# Altium PCB 2-quilter-output.PcbDoc (part 3 of 26) (continued)
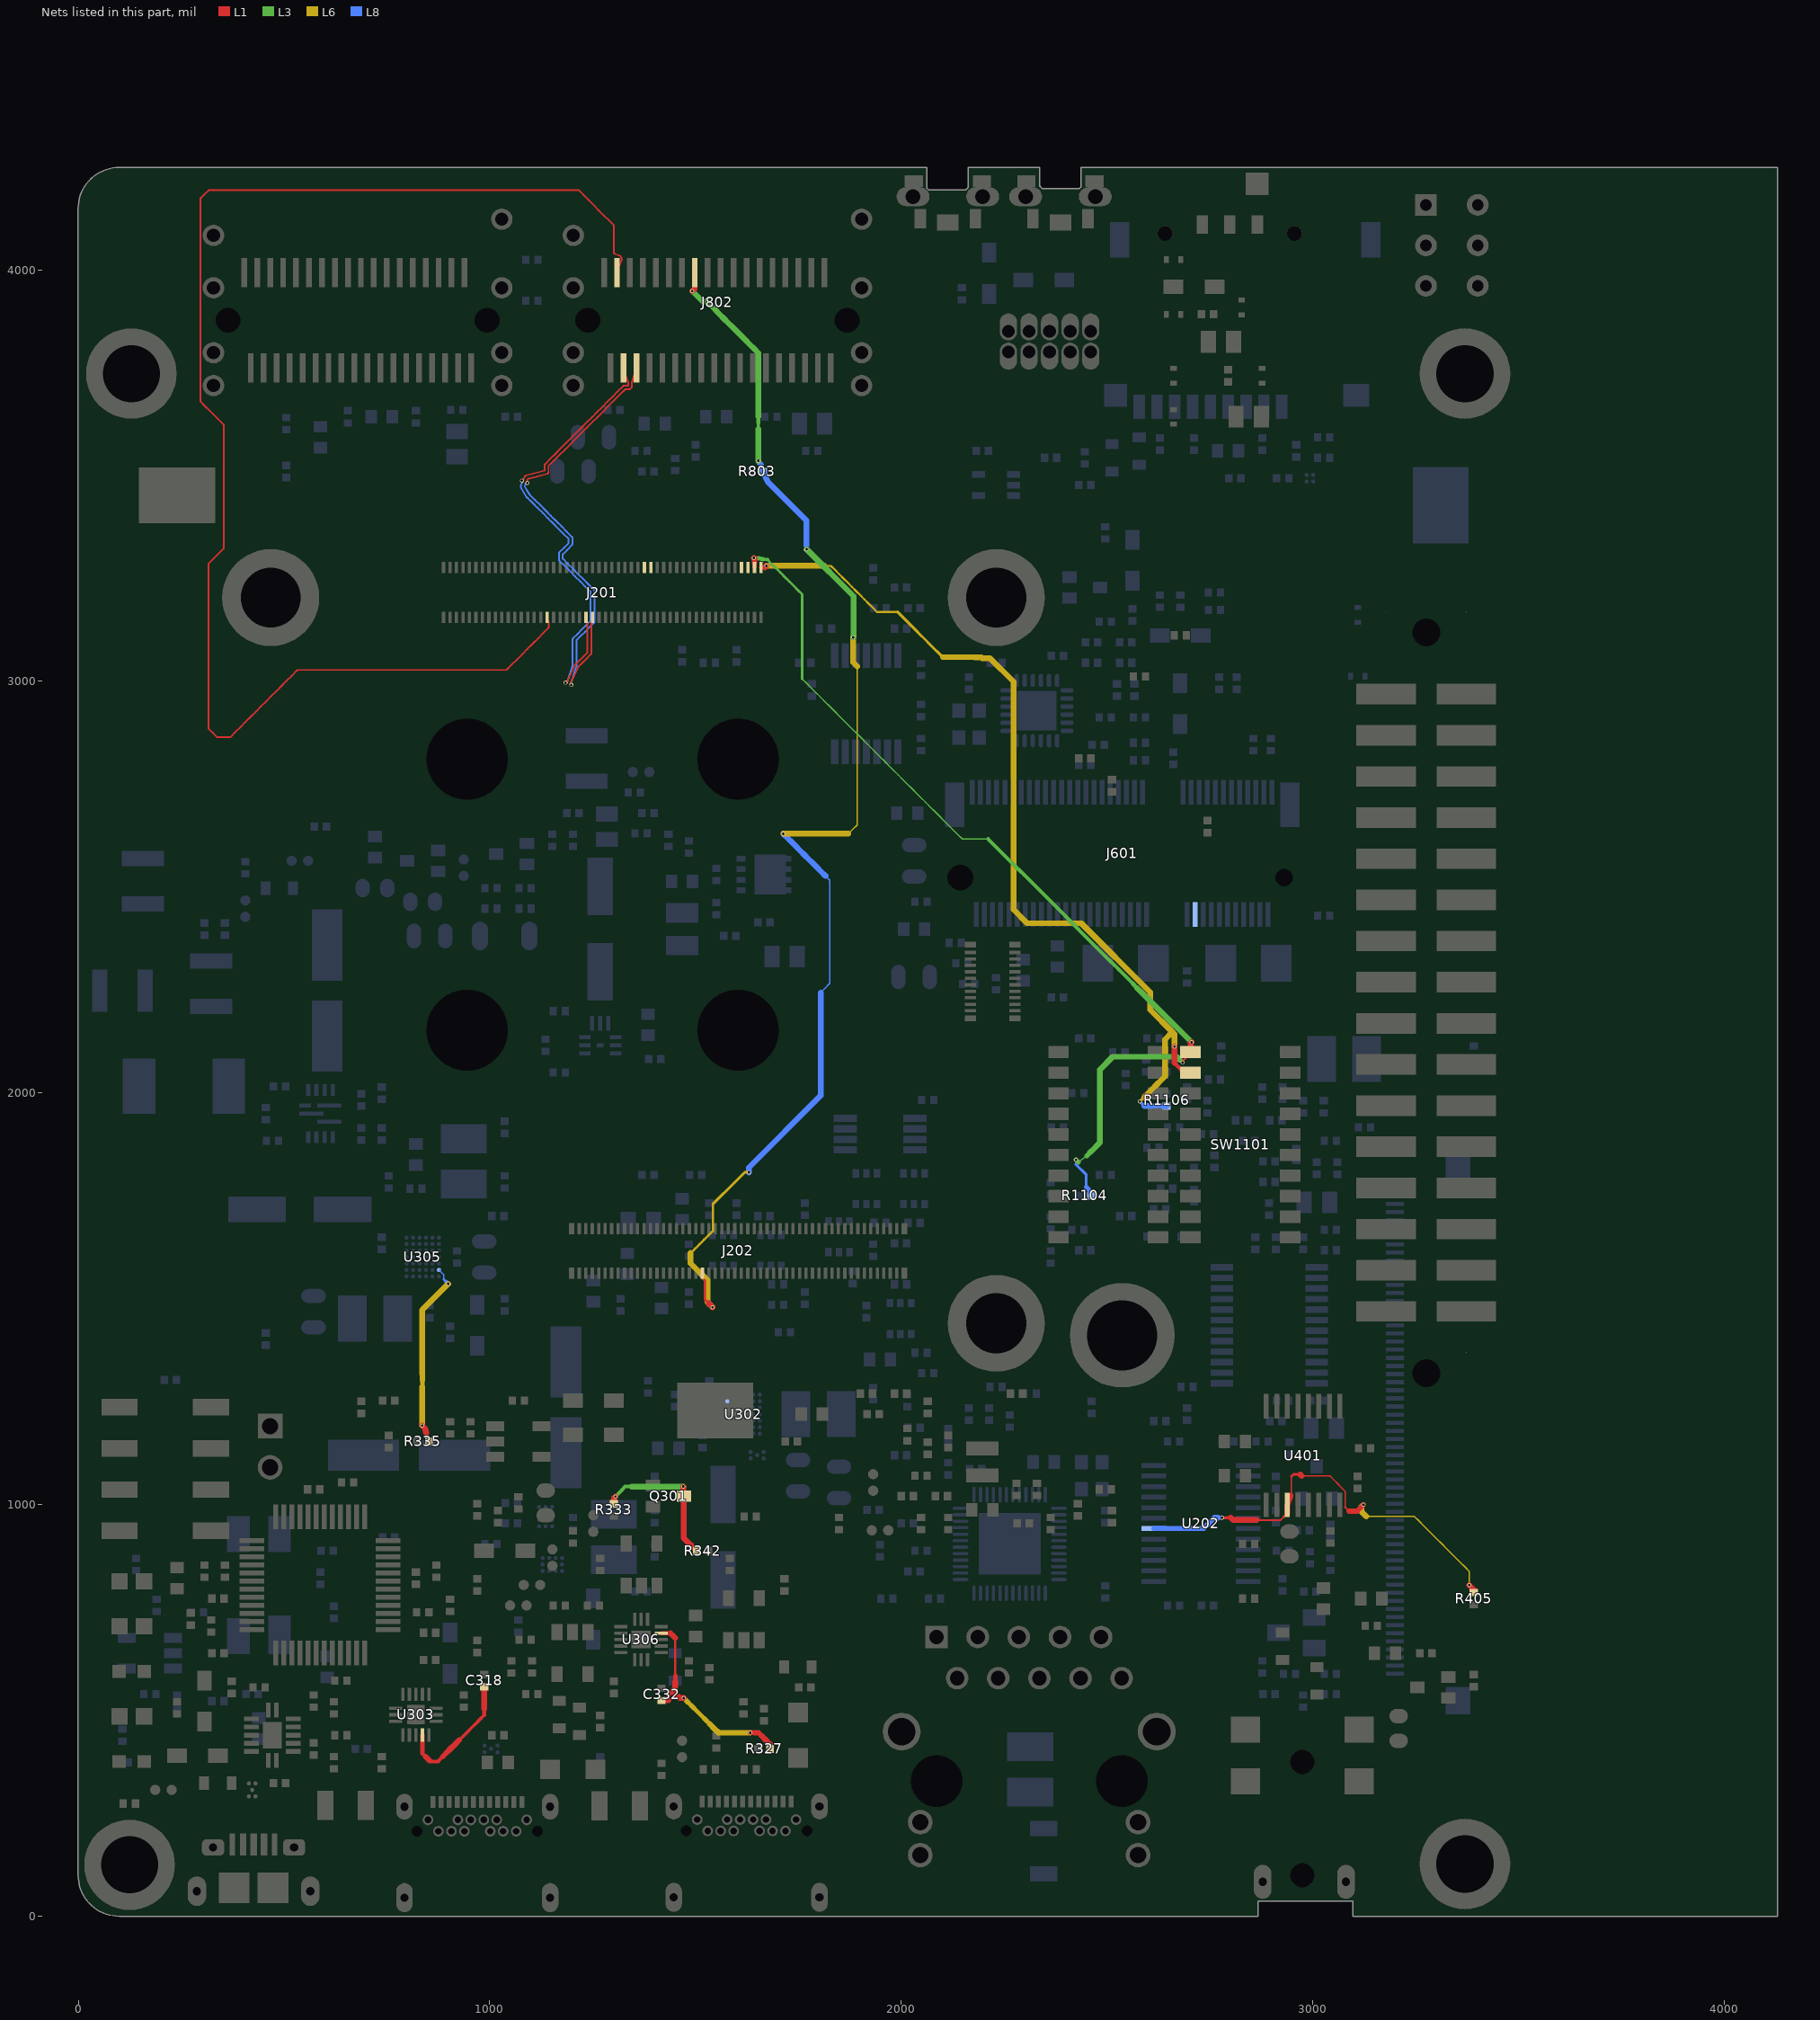
[diagram p9: the nets of this part, all layers, seen from the top]
## Part data (continued)
  R535: ASSY_OPT=DNP, ClassName="C-10 Ethernet 1Gbps Bot 1", Part Reference=R535, SIGNAL_MODEL=RES_0402_CC_DISCRETE_470-75394__0
  R536: ClassName="C-10 Ethernet 1Gbps", Part Reference=R536
  R537: ClassName="C-10 Ethernet 1Gbps", Part Reference=R537
  R538: ClassName="C-10 Ethernet 1Gbps", Part Reference=R538
  R539: ClassName="C-10 Ethernet 1Gbps Bot 1", Part Reference=R539
  R540: ClassName="C-10 Ethernet 1Gbps Bot 1", Part Reference=R540
  R541: ClassName="C-10 Ethernet 1Gbps Bot 1", Part Reference=R541
  R542: ClassName="C-10 Ethernet 1Gbps Bot 1", Part Reference=R542
  R543: ClassName="C-10 Ethernet 1Gbps Bot 1", Part Reference=R543
  R544: ClassName="C-10 Ethernet 1Gbps Bot 1", Part Reference=R544
  R603: ASSY_OPT=DNP, ClassName="C-11 PCIe Bot", Part Reference=R603
  R604: ClassName="C-11 PCIe Bot", Part Reference=R604
  R610: ClassName="C-11 PCIe Bot", Part Reference=R610
  R611: ClassName="C-11 PCIe Bot", Part Reference=R611
  R612: ClassName="C-11 PCIe Bot", Part Reference=R612
  R613: ClassName="C-11 PCIe Bot", Part Reference=R613
  R614: ASSY_OPT=DNP, ClassName="C-11 PCIe Bot", Part Reference=R614
  R615: ASSY_OPT=DNP, ClassName="C-11 PCIe Bot", Part Reference=R615
  R616: ClassName="C-11 PCIe Bot", Part Reference=R616
  R617: ClassName="C-11 PCIe Bot", Part Reference=R617
  R618: ClassName="C-11 PCIe Bot", Part Reference=R618
  R619: ClassName="C-11 PCIe Bot", Part Reference=R619
  R620: ClassName="C-11 PCIe Bot", Part Reference=R620
  R624: ASSY_OPT=DNP, ClassName="C-11 PCIe Bot", Part Reference=R624
  R625: ClassName="C-11 PCIe Bot", Part Reference=R625
  R629: ClassName="C-11 PCIe", Part Reference=R629
  R630: ClassName="C-11 PCIe", Part Reference=R630
  R631: ClassName="C-11 PCIe", Part Reference=R631
  R632: ClassName="C-11 PCIe", Part Reference=R632
  R702: ClassName="C-12 MicroSD_Infrared_LED_BTN Bot", Part Reference=R702
  R704: ClassName="C-12 MicroSD_Infrared_LED_BTN Bot", Part Reference=R704
  R705: ClassName="C-12 MicroSD_Infrared_LED_BTN Bot", Part Reference=R705
  R707: ClassName="C-12 MicroSD_Infrared_LED_BTN Bot", Part Reference=R707
  R708: ClassName="C-12 MicroSD_Infrared_LED_BTN Bot", Part Reference=R708
  R709: ClassName="C-12 MicroSD_Infrared_LED_BTN Bot", Part Reference=R709
  R807: ClassName="C-13 MIPI-DSI_CSI Bot", Part Reference=R807
  R808: ClassName="C-13 MIPI-DSI_CSI Bot", Part Reference=R808
  R809: ClassName="C-13 MIPI-DSI_CSI Bot", Part Reference=R809
  R810: ClassName="C-13 MIPI-DSI_CSI Bot", Part Reference=R810
  R908: ClassName="C-14 Debug", Part Reference=R908
  R909: ClassName="C-14 Debug", Part Reference=R909
  R910: ClassName="C-14 Debug", Part Reference=R910
  R911: ClassName="C-14 Debug", Part Reference=R911
  R921: ASSY_OPT=DNP, ClassName="C-14 Debug", Part Reference=R921, SIGNAL_MODEL=DEFAULT_RESISTOR_10000OHM_2_1, TOL=1%
  R922: ClassName="C-14 Debug", Part Reference=R922, SIGNAL_MODEL=DEFAULT_RESISTOR_10000OHM_2_1, TOL=1%
  R923: ASSY_OPT=DNP, ClassName="C-14 Debug", Part Reference=R923, SIGNAL_MODEL=DEFAULT_RESISTOR_10000OHM_2_1, TOL=1%
  R927: ASSY_OPT=DNP, ClassName="C-14 Debug", Part Reference=R927
  R928: ClassName="C-14 Debug Bot", Part Reference=R928
  R1003: ClassName="C-15 Expansion CN Bot", Part Reference=R1003
  R1004: ASSY_OPT=DNP, ClassName="C-15 Expansion CN Bot", Part Reference=R1004
  R1005: ASSY_OPT=DNP, ClassName="C-15 Expansion CN Bot", Part Reference=R1005
  R1006: ClassName="C-15 Expansion CN Bot", Part Reference=R1006
  R1009: ClassName="C-15 Expansion CN Bot", Part Reference=R1009
  R1010: ClassName="C-15 Expansion CN Bot", Part Reference=R1010
  R1011: ClassName="C-15 Expansion CN Bot", Part Reference=R1011
  R1012: ClassName="C-15 Expansion CN Bot", Part Reference=R1012
  R1013: ClassName="C-15 Expansion CN Bot", Part Reference=R1013
  R1014: ClassName="C-15 Expansion CN Bot", Part Reference=R1014
  R1015: ClassName="C-15 Expansion CN Bot", Part Reference=R1015
  R1016: ClassName="C-15 Expansion CN Bot", Part Reference=R1016
  R1017: ClassName="C-15 Expansion CN Bot", Part Reference=R1017
  R1018: ClassName="C-15 Expansion CN Bot", Part Reference=R1018
  R1019: ClassName="C-15 Expansion CN Bot", Part Reference=R1019
  R1020: ClassName="C-15 Expansion CN Bot", Part Reference=R1020
  R1021: ClassName="C-15 Expansion CN Bot", Part Reference=R1021
  R1022: ClassName="C-15 Expansion CN Bot", Part Reference=R1022
  R1023: ClassName="C-15 Expansion CN Bot", Part Reference=R1023
  R1024: ClassName="C-15 Expansion CN Bot", Part Reference=R1024
  R1025: ClassName="C-15 Expansion CN Bot", Part Reference=R1025
  R1026: ClassName="C-15 Expansion CN Bot", Part Reference=R1026
  R1027: ASSY_OPT=DNP, ClassName="C-15 Expansion CN Bot", Part Reference=R1027
  R1028: ASSY_OPT=DNP, ClassName="C-15 Expansion CN Bot", Part Reference=R1028
R301 R361: library part RES, "RES MF 47K 1/16W 5% 0402", Tolerance=5%, AGILE_PN=470-75559, CAD_APPROVED=Yes, CLASS=DISCRETE, ClassName="C-08 USB TYPE-C DRP", FPLIST=RC0402_25,RC0402_HD,0402_CC, HEIGHT="0.40 MM", MFG_NAME01="NIC COMPONENTS CORP", MFG_PN01=NRCL04J473TRF, RoHS=Yes
  R301: Part Reference=R301, PCB Footprint=0402_CC
  R361: Part Reference=R361, PCB Footprint=RC0402_25
R304 R318: library part RES, "RES MF 1.2M  1/10W 1% AEC-Q200 0402", Temp_Range="-55C to +155C", Tolerance=1%, AGILE_PN=470-31182, CAD_APPROVED=Yes, CLASS=DISCRETE, ClassName="C-08 USB TYPE-C DRP", FPLIST=RC0402_25,RC0402_HD,0402_CC, HEIGHT="0.40 MM", MFG_NAME01="KOA SPEER", MFG_PN01=RK73H1ETTP1204F, PCB Footprint=0402_CC, RoHS=Yes
  R304: Part Reference=R304
  R318: Part Reference=R318
R306 R319 R333: library part RES, "RES MF 1M 1/16W 1% 0402", Tolerance=1%, AGILE_PN=470-80575, CAD_APPROVED=Yes, CLASS=DISCRETE, ClassName="C-08 USB TYPE-C DRP", FPLIST=RC0402_25,RC0402_HD,0402_CC, HEIGHT=0.4MM, MFG_NAME01=BOURNS, MFG_PN01=CR0402-FX-1004GLF, PCB Footprint=0402_CC, RoHS=Yes
  R306: Part Reference=R306
  R319: Part Reference=R319
  R333: Part Reference=R333
R313 R314 R321 R322: library part RES, "RES MF 249K 1/10W 1% AEC-Q200 0402", Temp_Range="-55C to +155C", Tolerance=1%, AGILE_PN=470-31103, CAD_APPROVED=Yes, CLASS=DISCRETE, ClassName="C-08 USB TYPE-C DRP", FPLIST=RC0402_25,RC0402_HD,0402_CC, HEIGHT="0.40 MM", MFG_NAME01="KOA SPEER", MFG_PN01=RK73H1ETTP2493F, PCB Footprint=0402_CC, RoHS=Yes
  R313: Part Reference=R313
  R314: Part Reference=R314
  R321: Part Reference=R321
  R322: Part Reference=R322
R315 R316 R323 R325: library part RES, "RES MF ZERO OHM JUMPER 1/2W AEC-Q200 0805", Temp_Range="-55 ¡ãC to +155 ¡ãC", AGILE_PN=470-81272, CAD_APPROVED=Yes, CLASS=DISCRETE, FPLIST=RC0805_OV,RC0805,0805_CC, HEIGHT=0.6MM, MFG_NAME01="VISHAY INTERTECHNOLOGY", MFG_PN01=CRCW08050000Z0EAHP, PCB Footprint=RC0805_OV, RoHS=Yes
  R315: ASSY_OPT=DNP, ClassName="C-08 USB TYPE-C DRP Bot 1", Part Reference=R315
  R316: ASSY_OPT=DNP, ClassName="C-08 USB TYPE-C DRP Bot 1", Part Reference=R316
  R323: ClassName="C-08 USB TYPE-C DRP Bot 2", Part Reference=R323
  R325: ClassName="C-08 USB TYPE-C DRP Bot 2", Part Reference=R325
R356: library part RES, "RES MF 174K 1/16W 1% 0402", Tolerance=1%, AGILE_PN=470-77305, CAD_APPROVED=Yes, CLASS=DISCRETE, ClassName="C-08 USB TYPE-C DRP", FPLIST=RC0402_25,RC0402_HD,0402_CC, HEIGHT=0.4MM, MFG_NAME01=PANASONIC, MFG_PN01=ERJ-2RKF1743X, Part Reference=R356, PCB Footprint=RC0402_25, RoHS=Yes
R357 R359: library part RES, "RES MF 24.9K  1/16W 1% 0402", Temp_Range="-55¡ãC ~ 155¡ãC", Tolerance=1%, AGILE_PN=470-30990, CAD_APPROVED=Yes, CLASS=DISCRETE, ClassName="C-08 USB TYPE-C DRP", FPLIST=RC0402_25,RC0402_HD,0402_CC, HEIGHT="0.40 MM", MFG_NAME01="YAGEO AMERICA", MFG_PN01=RC0402FR-0724K9L, PCB Footprint=RC0402_25, RoHS=Yes
  R357: Part Reference=R357
  R359: Part Reference=R359
R358 R930: library part RES, "RES MF 120K 1/10W 1% AEC-Q200 0402", Temp_Range="-55C to +155C", Tolerance=1%, AGILE_PN=470-31069, CAD_APPROVED=Yes, CLASS=DISCRETE, FPLIST=RC0402_25,RC0402_HD,0402_CC, HEIGHT="0.40 MM", MFG_NAME01="KOA SPEER", MFG_PN01=RK73H1ETTP1203F, PCB Footprint=RC0402_25, RoHS=Yes
  R358: ClassName="C-08 USB TYPE-C DRP", Part Reference=R358
  R930: ClassName="C-14 Debug", Part Reference=R930
R403 R404: library part RES, "RES MF 510 OHM 1/10W 1% 0603", Tolerance=1%, AGILE_PN=470-75770, CAD_APPROVED=Yes, CLASS=DISCRETE, ClassName="C-09 Audio DAC", FPLIST=RC0603_OV,RC0603,0603_CC, HEIGHT="0.55 MM", MFG_NAME01=BOURNS, MFG_PN01=CR0603-FX-5100ELF, PCB Footprint=RC0603_OV, RoHS=Yes
  R403: Part Reference=R403
  R404: Part Reference=R404
R508 R527 R528: library part RES, "RES MF 1.5K 1/16W 1% 0402", Tolerance=1%, AGILE_PN=470-80487, ASSY_NOTE=470-76065, CAD_APPROVED=Yes, CLASS=DISCRETE, FPLIST=RC0402_25,RC0402_HD,0402_CC, HEIGHT=0.4MM, MFG_NAME01=BOURNS, MFG_PN01=CR0402-FX-1501GLF, PCB Footprint=0402_CC, PRIORITY_PN=006-00654, RoHS=Yes, ROOM=RGMII_PHY
  R508: ClassName="C-10 Ethernet 1Gbps Bot 1", Part Reference=R508
  R527: ClassName="C-10 Ethernet 1Gbps", Part Reference=R527
  R528: ClassName="C-10 Ethernet 1Gbps", Part Reference=R528
R510 R513: library part RES, "RES MF 270 OHM 1/16W 5% 0402", Tolerance=5%, AGILE_PN=470-30332, CAD_APPROVED=Yes, CLASS=DISCRETE, ClassName="C-10 Ethernet 1Gbps", FPLIST=RC0402_25,RC0402_HD,0402_CC, HEIGHT="0.40 MM", MFG_NAME01="VISHAY INTERTECHNOLOGY", MFG_PN01=CRCW0402270RJNED, PCB Footprint=RC0402_25, RoHS=Yes, SIGNAL_MODEL=DEFAULT_RESISTOR_270OHM_2_1
  R510: Part Reference=R510
  R513: Part Reference=R513
R514: library part RES, "RES MF 1.0M 1/4W 1% 1206", Tolerance=1%, AGILE_PN=470-81076, CAD_APPROVED=Yes, CLASS=DISCRETE, ClassName="C-10 Ethernet 1Gbps Bot 2", FPLIST=RC1206_OV,RC1206,1206_CC, HEIGHT=0.6MM, MFG_NAME01="VISHAY INTERTECHNOLOGY", MFG_PN01=RCV12061M00FKEA, Part Reference=R514, PCB Footprint=1206_CC, RoHS=Yes
R515: library part RES, "RES MF 2.37K  1/16W 1% 0402", Temp_Range="-55¡ãC ~ 155¡ãC", Tolerance=1%, AGILE_PN=470-30874, CAD_APPROVED=Yes, CLASS=DISCRETE, ClassName="C-10 Ethernet 1Gbps Bot 1", FPLIST=RC0402_25,RC0402_HD,0402_CC, HEIGHT="0.40 MM", MFG_NAME01="YAGEO AMERICA", MFG_PN01=RC0402FR-072K37L, Part Reference=R515, PCB Footprint=0402_CC, PRIORITY_PN=006-01003, RoHS=Yes, ROOM=RGMII_PHY, SIGNAL_MODEL=DEFAULT_RESISTOR_2370OHM_2_1
R621 R622: library part RES, "RES MF 49.9 OHM 1/16W 1% 0402", Tolerance=1%, AGILE_PN=470-75360, ASSY_OPT=DNP, CAD_APPROVED=Yes, CLASS=DISCRETE, ClassName="C-11 PCIe Bot", FPLIST=RC0402_25,RC0402_HD,0402_CC, HEIGHT=0.4MM, MFG_NAME01=BOURNS, MFG_PN01=CR0402-FX-49R9GLF, PCB Footprint=0402_CC, RoHS=Yes
  R621: Part Reference=R621
  R622: Part Reference=R622
R714 R1030: library part RES, "RES MF 47 OHM 1/16W 5% 0402", Tolerance=5%, AGILE_PN=470-75632, CAD_APPROVED=Yes, CLASS=DISCRETE, FPLIST=RC0402_25,RC0402_HD,0402_CC, HEIGHT=0.41mm, MFG_NAME01=SMEC, MFG_PN01=RC73L2Z470JTF, PCB Footprint=0402_CC, RoHS=Yes
  R714: ClassName="C-12 MicroSD_Infrared_LED_BTN", Part Reference=R714
  R1030: ClassName="C-15 Expansion CN Bot", Part Reference=R1030
R904: library part RES, "RES TF 470 1/16W 5% RC0402", Tolerance=5%, AGILE_PN=470-76556, CAD_APPROVED=Yes, CLASS=DISCRETE, ClassName="C-14 Debug", FPLIST=RC0402_25,RC0402_HD,0402_CC, HEIGHT="0.4 MM", MFG_NAME01=BOURNS, MFG_PN01=CR0402JW471GLF, Part Reference=R904, PCB Footprint=0402_CC, RoHS=Yes
R920: library part RES, "RES MF 100 OHM 1/16W 1% 0402", Tolerance=1%, AGILE_PN=470-30454, CAD_APPROVED=Yes, CLASS=DISCRETE, ClassName="C-14 Debug", FPLIST=RC0402_25,RC0402_HD,0402_CC, HEIGHT="0.4 MM", MFG_NAME01="THYE MING TECH CO LTD", MFG_PN01=CR-02FL6--100R, Part Reference=R920, PCB Footprint=0402_CC, RoHS=Yes
R925: library part RES, "RES MF 1.50K 1/16W 1% 0402", Tolerance=1%, AGILE_PN=470-76065, CAD_APPROVED=Yes, CLASS=DISCRETE, ClassName="C-14 Debug", FPLIST=RC0402_25,RC0402_HD,0402_CC, HEIGHT="0.4 MM", MFG_NAME01="WALSIN TECHNOLOGY CORP.", MFG_PN01=WR04X1501FTL, Part Reference=R925, PCB Footprint=0402_CC, RoHS=Yes
R929 R1102 R1104 R1106 R1108 R1110 R1112 R1114 R1116 R1118 R1120 R1122 R1124 R1126 R1128 R1130 R1132 R1134 R1136 R1139 R1140: library part RES, "RES MF 100K 1/16W 5% 0402", Temp_Range="-55C to +155C", Tolerance=5%, AGILE_PN=470-75597, CAD_APPROVED=Yes, CLASS=DISCRETE, FPLIST=RC0402_25,RC0402_HD,0402_CC, HEIGHT="0.40 MM", MFG_NAME01="VENKEL COMPANY", MFG_PN01=CR0402-16W-104JT, PCB Footprint=0402_CC, RoHS=Yes, TOL=5%
  R929: ClassName="C-14 Debug", Part Reference=R929
  R1102: ClassName="X-16 BOOT CFG Bot", Part Reference=R1102
  R1104: ClassName="X-16 BOOT CFG Bot", Part Reference=R1104
  R1106: ClassName="X-16 BOOT CFG Bot", Part Reference=R1106
  R1108: ClassName="X-16 BOOT CFG Bot", Part Reference=R1108
  R1110: ClassName="X-16 BOOT CFG Bot", Part Reference=R1110
  R1112: ClassName="X-16 BOOT CFG Bot", Part Reference=R1112
  R1114: ClassName="X-16 BOOT CFG Bot", Part Reference=R1114
  R1116: ClassName="X-16 BOOT CFG Bot", Part Reference=R1116
  R1118: ClassName="X-16 BOOT CFG Bot", Part Reference=R1118
  R1120: ClassName="X-16 BOOT CFG Bot", Part Reference=R1120
  R1122: ClassName="X-16 BOOT CFG Bot", Part Reference=R1122
  R1124: ClassName="X-16 BOOT CFG Bot", Part Reference=R1124
  R1126: ClassName="X-16 BOOT CFG Bot", Part Reference=R1126
  R1128: ClassName="X-16 BOOT CFG Bot", Part Reference=R1128
  R1130: ClassName="X-16 BOOT CFG Bot", Part Reference=R1130
  R1132: ClassName="X-16 BOOT CFG Bot", Part Reference=R1132
  R1134: ClassName="X-16 BOOT CFG Bot", Part Reference=R1134
  R1136: ClassName="X-16 BOOT CFG Bot", Part Reference=R1136
  R1139: ClassName="X-16 BOOT CFG Bot", Part Reference=R1139
  R1140: ClassName="X-16 BOOT CFG Bot", Part Reference=R1140
SW101: library part SW_DPDT_3, "SW DPDT SLD 0.03A 50V TH", AGILE_PN=510-78053, CAD_APPROVED=Yes, CLASS=IC, ClassName="C-06 Power", HEIGHT=5.8MM, MFG_NAME01="FODOT ELECTRONICS CO.,LTD.", MFG_PN01=M096H-A020RT21A, Part Reference=SW101, PCB Footprint=sw6_dpdt_m096h_th, RoHS=Yes
SW901 SW902: library part NTC501-BG1G-B160T, "SW SPST NO TACT RA 50MA 12V SMT", AGILE_PN=510-78113, CAD_APPROVED=Yes, CLASS=IC, ClassName="C-14 Debug", FPLIST=sw2_3p4_tact_sm,sw2_3p4_tact_sm_nsp, HEIGHT=1.9MM, MFG_NAME01=T-MEC, MFG_PN01=NTC501-BG1G-B160T, PCB Footprint=sw2_3p4_tact_sm_nsp, RoHS=Yes
  SW901: Part Reference=SW901
  SW902: Part Reference=SW902
SW1101 SW1102: library part SW_DIP-10, "SW SPST 10P DIP SLIDE 25MA 24V SMT", Temp_Range="-40 to +85C", AGILE_PN=510-78231, CAD_APPROVED=Yes, CLASS=IC, ClassName="X-16 BOOT CFG", HEIGHT=1.7MM, MFG_NAME01=Grayhill, MFG_PN01=97C10ST, PCB Footprint=sw_dip10_sm, RoHS=Yes
  SW1101: Part Reference=SW1101
  SW1102: Part Reference=SW1102
TP1201 TP1202 TP1203: "TEST POINT PAD SIZE 4.7MM X 3.5MM SN", AGILE_PN=211-30043, CAD_APPROVED=Yes, CLASS=IO, ClassName="X-17 Mech_TP", HEIGHT=2.286MM, MFG_NAME01="KEYSTONE ELECTRONICS", MFG_PN01=5016, PCB Footprint=TEST_PIN_TP107, PRIORITY_PN=028-00650, RoHS=Yes
  TP1201: Part Reference=TP1201
  TP1202: Part Reference=TP1202
  TP1203: Part Reference=TP1203
TVS303 TVS304 TVS307 TVS308 TVS401 TVS402 TVS701 TVS702 TVS901: library part DIODE_TVS_BIDIR, "DIODE SUPPRESSOR 16A@30NS 5V@1UA SOD-523", AGILE_PN=480-76937, CAD_APPROVED=Yes, CLASS=IC, HEIGHT=0.7MM, MFG_NAME01="on semiconductor", MFG_PN01=ESD5B5.0ST1G, PCB Footprint=diode2_sod523, RoHS=Yes
  TVS303: ASSY_OPT=DNP, ClassName="C-08 USB TYPE-C DRP", Part Reference=TVS303
  TVS304: ASSY_OPT=DNP, ClassName="C-08 USB TYPE-C DRP", Part Reference=TVS304
  TVS307: ASSY_OPT=DNP, ClassName="C-08 USB TYPE-C DRP Bot 1", Part Reference=TVS307
  TVS308: ASSY_OPT=DNP, ClassName="C-08 USB TYPE-C DRP", Part Reference=TVS308
  TVS401: ClassName="C-09 Audio DAC", Part Reference=TVS401
  TVS402: ClassName="C-09 Audio DAC", Part Reference=TVS402
  TVS701: ClassName="C-12 MicroSD_Infrared_LED_BTN Bot", Part Reference=TVS701
  TVS702: ClassName="C-12 MicroSD_Infrared_LED_BTN Bot", Part Reference=TVS702
  TVS901: ClassName="C-14 Debug", Part Reference=TVS901
U101: library part MP8759GD_QFN12P, "IC VREG SYNC STEP DOWN DCDC ADJ 8A 4.5-26V QFN12", Temp_Range="-40¡ãC to 125¡ãC", AGILE_PN=315-81301, CAD_APPROVED=Yes, CLASS=IC, ClassName="C-06 Power Bot", HEIGHT="1.05 MM", MFG_NAME01="MONOLITHIC POWER SYSTEMS", MFG_PN01=MP8759GD, Part Reference=U101, PCB Footprint=qfn12_0p5_3p1x2p1, RoHS=Yes
U102: library part MP2147GD_QFN_11P, "IC VREG BUCK 0.6V-5.5V 4A 2.8--5.5V QFN12", AGILE_PN=315-80523, CAD_APPROVED=Yes, CLASS=IC, ClassName="C-06 Power Bot", HEIGHT=1MM, MFG_NAME01="MONOLITHIC POWER SYSTEMS", MFG_PN01=MP2147GD, Part Reference=U102, PCB Footprint=qfn12_0p5_2x3mm_ep, RoHS=Yes
U201: library part PCA6416APW_TSSOP24, "IC I/O EXPANDER 16-BIT I2C SMBUS 1.65-5.5V TSSOP24", Temp_Range="-40¡ãC to +85¡ãC", AGILE_PN=312-81854, CAD_APPROVED=Yes, CLASS=IC, ClassName="C-07 CPU IO INTERFACE Bot 5", HEIGHT=1.1MM, MFG_NAME01="NXP SEMICONDUCTORS", MFG_PN01=PCA6416APW,118, Part Reference=U201, PCB Footprint=tssop24_0p65_7p9x4p5, RoHS=Yes
U202: library part SN74AVC8T245, "IC VXLTR 8BIT TS 1.2-3.6V TSSOP-24", AGILE_PN=312-79594, CAD_APPROVED=Yes, CLASS=IC, ClassName="C-07 CPU IO INTERFACE Bot 5", HEIGHT=1.2MM, MFG_NAME01=NEXPERIA, MFG_PN01=74AVC8T245PW,118, Part Reference=U202, PCB Footprint=TSSOP24_65MM, RoHS=Yes
U203: library part NTS0104PW_14P, "IC VXLTR XCVR 4CH 1.65-3.6V/2.3-5.5V TSSOP14", AGILE_PN=312-81228, CAD_APPROVED=Yes, CLASS=IC, ClassName="C-07 CPU IO INTERFACE Bot 2", HEIGHT=1.1MM, MFG_NAME01="NXP SEMICONDUCTORS", MFG_PN01=NTS0104PW,118, Part Reference=U203, PCB Footprint=tssop14, RoHS=Yes
U204: library part 1G125, "IC BUFFER/LINE DRIVER 3STATE 0.8-3.6V SC70-5", AGILE_PN=315-80956, CAD_APPROVED=Yes, CLASS=IC, ClassName="C-07 CPU IO INTERFACE Bot 3", HEIGHT=1.1MM, MFG_NAME01=NEXPERIA, MFG_PN01=74AUP1G125GW,125, Part Reference=U204, PCB Footprint=SC70-5, RoHS=Yes
U301 U304 U311: "IC COMP MICRO POWER RAIL TO RAIL INPUT 1.4-5.5V SOT23-5", Temp_Range="-40C to +85C", AGILE_PN=315-81470, CAD_APPROVED=Yes, CLASS=IC, ClassName="C-08 USB TYPE-C DRP", HEIGHT=1.25MM, MFG_NAME01="SG Micro Corp", MFG_PN01=SGM8709YN5G/TR, PCB Footprint=SOT-23-5, RoHS=Yes
  U301: Part Reference=U301
  U304: Part Reference=U304
  U311: Part Reference=U311
U302 U305: library part NX20P3483UK_42P, "IC USB PD/TYPE-C PWR Sink/Source Combo SW 5A 2.8-20V WLCSP42", Manufacturer="NXP Semiconductors", Manufacturer Part Number=NX20P5090UK, Temp_Range="-40C to +85C", AGILE_PN=315-81752, CAD_APPROVED=Yes, CLASS=IC, HEIGHT=0.565MM, MFG_NAME01="NXP SEMICONDUCTORS", MFG_PN01=NX20P3483UK, PCB Footprint=wlcsp42_0p4_2p94x2p54_smdp, PRE_APN=315-81752, RoHS=Yes
  U302: ClassName="C-08 USB TYPE-C DRP Bot 1", Part Reference=U302
  U305: ClassName="C-08 USB TYPE-C DRP Bot 2", Part Reference=U305
U303 U306: library part PTN5110_QFN16, "IC USB PD PHY 1PORT 2.7-5.5V HX2QFN16", Temp_Range="¨C40C to +85C", AGILE_PN=315-81118, CAD_APPROVED=Yes, CLASS=IC, ClassName="C-08 USB TYPE-C DRP", HEIGHT=0.4MM, MFG_NAME01="NXP SEMICONDUCTORS", MFG_PN01=PTN5110NHQZ, PCB Footprint=hx2qfn16_0p4_2p7x2p7, RoHS=Yes
  U303: Part Reference=U303
  U306: Part Reference=U306
U307 U309 U902: library part PCMF1USB3S_WLCSP5, "EMI FILTER ESD PROTECTION 15kV/LINE WLCSP5", Manufacturer="NXP Semiconductors", Manufacturer Part Number=PESD1USB30, Temp_Range="-40¡ãC to +85¡ãC", AGILE_PN=480-79752, CAD_APPROVED=Yes, CLASS=IC, HEIGHT=0.6MM, MFG_NAME01=NEXPERIA, MFG_PN01=PCMF1USB3SZ, PCB Footprint=wlcsp5_0p4_0p82x1p22, RoHS=Yes
  U307: ClassName="C-08 USB TYPE-C DRP Bot 1", Part Reference=U307
  U309: ClassName="C-08 USB TYPE-C DRP Bot 1", Part Reference=U309
  U902: ClassName="C-14 Debug", Part Reference=U902
U308 U310: library part NX20P0407_WLCSP12_A, "IC USB TYPE C PROTECTION +15KV/+8KV ESD WLCSP12", Manufacturer="NXP Semiconductors", Manufacturer Part Number=NX20P5090UK, Temp_Range="-40C to +85C", AGILE_PN=312-81846, CAD_APPROVED=Yes, CLASS=IC, ClassName="C-08 USB TYPE-C DRP Bot 1", HEIGHT="0.565 MM", MFG_NAME01="NXP SEMICONDUCTORS", MFG_PN01=NX20P0407, PCB Footprint=wlcsp12_0p4_1p3x1p7mm_smdp, PRE_APN=312-81846, RoHS=Yes
  U308: Part Reference=U308
  U310: Part Reference=U310
U312: library part TPS709_1, "IC VREG 3.3V 150mA 2.7-30V SOT23-5", Temp_Range="-40 to +125C", AGILE_PN=315-81914, CAD_APPROVED=Yes, CLASS=IC, ClassName="C-08 USB TYPE-C DRP", HEIGHT=1.45MM, MFG_NAME01="TEXAS INSTRUMENTS", MFG_PN01=TPS70933DBVR, Part Reference=U312, PCB Footprint=sot23-5, PRE_APN=315-81914, RoHS=Yes
U401: library part WM8524GEDT, "IC DAC STEREO 24BIT 192kHz 2.97-3.63V TSSOP16", Temp_Range="-40C to +85C", AGILE_PN=315-81421, CAD_APPROVED=Yes, CLASS=IC, ClassName="C-09 Audio DAC", HEIGHT=1.2MM, MFG_NAME01="CIRRUS LOGIC", MFG_PN01=WM8524CGEDT, Part Reference=U401, PCB Footprint=tssop16, RoHS=Yes
U501: library part AR8031_48P_EP, "IC XCVR ETHERNET PHY 10/100/1000G-BIT 3.3V QFN48", AGILE_PN=312-80115, CAD_APPROVED=Yes, CLASS=IC, ClassName="C-10 Ethernet 1Gbps Bot 1", HEIGHT=0.8MM, MFG_NAME01="QUALCOMM ATHEROS, INC", MFG_PN01=AR8031-AL1A, Part Reference=U501, PCB Footprint=qfn48_0p4_6x6mm_epad, RoHS=Yes
U502 U503 U504 U505 U506 U507: library part NC7WV16_6P, "IC BUFFER NON-INVERTING DUAL 0.9-3.6V SC70-6", AGILE_PN=312-80921, CAD_APPROVED=Yes, CLASS=IC, ClassName="C-10 Ethernet 1Gbps Bot 1", HEIGHT=1.1MM, MFG_NAME01=Fairchild, MFG_PN01=NC7WV16P6X, PCB Footprint=sc70_6lead, RoHS=Yes
  U502: Part Reference=U502
  U503: Part Reference=U503
  U504: Part Reference=U504
  U505: Part Reference=U505
  U506: Part Reference=U506
  U507: Part Reference=U507
U508: library part NTB0102_8P, "IC XCVR 2-BIT 1.65-3.6V/2.3-5.5V TSSOP8", AGILE_PN=312-80889, CAD_APPROVED=Yes, CLASS=IC, ClassName="C-10 Ethernet 1Gbps Bot 1", HEIGHT=1.1MM, MFG_NAME01="NXP SEMICONDUCTORS", MFG_PN01=NTS0102DP, Part Reference=U508, PCB Footprint=tssop8_a, RoHS=Yes
U601: library part 9FGV0241AKLF_24P, "IC CLK GEN 2-OUTPUT VERY LOW POWER PCIE 1.7-1.9V VFQFPN24", AGILE_PN=312-81024, CAD_APPROVED=Yes, CLASS=IC, ClassName="C-11 PCIe Bot", HEIGHT="1 MM", MFG_NAME01=IDT, MFG_PN01=9FGV0241AKLF, Part Reference=U601, PCB Footprint=qfn24_0p5_4x4_ep2p2, RoHS=Yes
U701: library part IRM-V538, "IC IR RCVR MODULE 38KHZ 2.7-5.5V SMT", Temp_Range="-20¡ãC ~ 80¡ãC", AGILE_PN=312-82103, CAD_APPROVED=Yes, CLASS=IC, ClassName="C-12 MicroSD_Infrared_LED_BTN", HEIGHT=2.85MM, MFG_NAME01="EVERLIGHT INTERNATIONAL CORPORATION", MFG_PN01=IRM-V538M3/TR1, Part Reference=U701, PCB Footprint=rcvr_sm_irm_v5, RoHS=Yes
U702: library part ADP199_4P, "IC HIGH SIDE PWR SW 1.1-3.6V WLCSP4", Temp_Range="-45 to 85 C", AGILE_PN=315-82028, CAD_APPROVED=Yes, CLASS=IC, ClassName="C-12 MicroSD_Infrared_LED_BTN Bot", HEIGHT=0.66MM, MFG_NAME01="ANALOG DEVICES", MFG_PN01=ADP191ACBZ-R7, Part Reference=U702, PCB Footprint=wlcsp4_0p4_0p8x0p8_smdp, RoHS=Yes
U901: "IC DUAL USB UART/FIFO 4.35V-5.25V LQFP48", AGILE_PN=312-77962, CAD_APPROVED=Yes, CLASS=IC, ClassName="C-14 Debug", EN=301-0-01483, HEIGHT=1.60MM, MFG_NAME01="Future Technology Devices International Ltd.", MFG_PN01=FT2232D, Part Reference=U901, PCB Footprint=lqfp48, RoHS=Yes
U903: library part RT9193-33PB, "IC VREG LDO 3.3V 300MA SOT-23-5", AGILE_PN=315-76265, CAD_APPROVED=Yes, CLASS=IC, ClassName="C-14 Debug Bot", HEIGHT=1.295MM, MFG_NAME01=RICHTEK, MFG_PN01=RT9193-33GB, Part Reference=U903, PCB Footprint=sot23-5, RoHS=Yes
U904: "IC DUAL XLTR XCVR 4BIT 1.2-3.6/1.65-5.5V DHVQFN14", AGILE_PN=312-81227, CAD_APPROVED=Yes, CLASS=IC, ClassName="C-14 Debug", HEIGHT=1MM, MFG_NAME01="NXP SEMICONDUCTORS", MFG_PN01=NTB0104BQ,115, Part Reference=U904, PCB Footprint=dhvqfn14_3x2p5mm, RoHS=Yes
X901: library part XTAL_13, "XTAL 6MHz 18PF 7x5mm SMT", Temp_Range="-20°C to 70°C", AGILE_PN=230-78203, CAD_APPROVED=Yes, CLASS=IC, ClassName="C-14 Debug Bot", EN=108-1-00217, HEIGHT=1.3MM, MFG_NAME01="ABRACON CORP", MFG_PN01=ABMM-6.000MHZ-B2-T, Part Reference=X901, PCB Footprint=xtal_4_7p2x5p2, RoHS=Yes
Y501 Y601: library part XTAL_13Y, "XTAL25MHZ 20 PPM SMT ROHS", AGILE_PN=230-75460, CAD_APPROVED=YES, CLASS=IC, HEIGHT="0.56 MM", MFG_NAME01="ABRACON CORP", MFG_PN01=ABM10-25.000MHZ-E20-T, PCB Footprint=XTLOSC4_2P5X2MM_SM, RoHS=Yes
  Y501: ClassName="C-10 Ethernet 1Gbps Bot 1", Part Reference=Y501
  Y601: ClassName="C-11 PCIe Bot", Part Reference=Y601

## Via types
v1: diameter 9.85, hole 5.91, L1 to L8, tented both sides, 1508 vias

## Nets (pads, with @x,y where several pads share a name; then routed paths per layer and width w, separated by ;. In a path a pad name is that pad's centre, name@x,y a point inside that pad or via, vN(x,y) a via of type N, cw(c..) or ccw(c..) an arc to the next point about the centre after c; other vN are vias at no path point)
3483_EN_SNK1: Q301.3 R333.1 R342.2 U302.F1 | length 363.8
  L1 w14.05: R333.1@1301.85,1001.36 1301.85,1015.36 v1(1305.45,1018.96) ; v1(1470.84,1043.1) 1470.84,1020.98 Q301.3@1472.01,1019.79 1472.03,1005.79 1472.03,917.68 R342.2@1502.72,886.97
  L3 w8.94: v1(1305.45,1018.96) 1313.5,1027.01 1321.54,1035.06 1329.59,1043.1 1345.28,1043.1
  L3 w14.05: 1345.28,1043.1 1360.98,1043.1 1376.67,1043.1 1392.37,1043.1 1408.06,1043.1 1423.76,1043.1 1439.45,1043.1 1455.15,1043.1 v1(1470.84,1043.1)
3483_EN_SNK2: R335.2 U305.F1 | length 456.7
  L1 w8.94: 845.99,1173.01 R335.2@849.58,1161.01
  L1 w10.99: R335.2@849.58,1161.01 R335.2@852.11,1152.6
  L1 w14.05: v1(835.79,1191.61) 842.39,1185 845.99,1173.01
  L6 w10.99: 836.07,1285.41 836.07,1301
  L6 w13.03: 836.07,1301 836.07,1316.59
  L6 w14.05: v1(835.79,1191.61) 836.07,1191.89 836.07,1207.48 836.07,1223.07 836.07,1238.65 836.07,1254.24 836.07,1269.83 836.07,1285.41 ; 836.07,1316.59 836.07,1332.18 836.07,1347.76 836.07,1363.35 836.07,1378.94 836.07,1394.53 836.07,1410.11 836.07,1425.7 836.07,1441.29 836.07,1456.87 836.07,1472.46 v1(899.45,1535.83)
  L8 w3.5: U305.F1@876.72,1569.34 882.49,1563.57 888.25,1557.81
  L8 w3.83: 888.25,1547.03 888.25,1557.81
  L8 w5.87: 888.25,1547.03 893.85,1541.43
  L8 w8.94: 893.85,1541.43 v1(899.45,1535.83)
AUD_NMUTE: R405.1 U202.18 U401.11 | length 1077.1
  L1 w3.5: 2948.84,1023.17 2948.84,1037.87 2948.84,1052.56 2948.84,1067.26 ; 2973.7,1068.97 2987.42,1068.97 3001.14,1068.97 3014.86,1068.97 3028.58,1068.97 3042.3,1068.97 3051.68,1059.58 3061.07,1050.2 3070.45,1040.82 3079.84,1031.43 3079.84,1018.52 3079.84,1005.61 3079.84,992.71
  L1 w4.85: 2864.86,961.65 2879.3,961.65 2893.75,961.65 2908.19,961.65 2922.63,961.65 2929.73,968.74 ; 3079.84,992.7 3089.23,983.31
  L1 w5.87: 2929.73,968.74 U401.11@2938.87,977.89
  L1 w6.9: v1(2779.93,967.18) 2790.74,967.18 ; 2948.84,1067.26 2954.29,1072.71 2969.95,1072.71
  L1 w7.92: 2790.74,967.18 2801.55,967.18
  L1 w9.96: 2946.23,1020.56 2948.84,1023.16
  L1 w12.01: 3107.81,983.32 3115.82,991.32 v1(3123.82,999.32)
  L1 w14.05: 2801.56,967.18 2807.09,961.65 2821.53,961.65 2835.97,961.65 2850.41,961.65 2864.86,961.65 ; U401.11@2938.88,977.89 U401.11@2938.86,998.52 2946.23,1020.56 ; 2969.95,1072.71 2973.7,1068.97 ; 3089.23,983.31 3107.81,983.31 ; v1(3381.16,803.58) 3392.01,792.75 R405.1@3391.99,785.52
  L6 w3.5: 3130.59,970.75 3145.14,970.75 3159.74,970.75 3174.35,970.75 3188.95,970.75 3203.55,970.75 3218.16,970.75 3232.76,970.75 3247.36,970.75 3258.51,959.6 3269.66,948.45 3280.81,937.3 3291.96,926.15 3303.11,915 3314.26,903.85 3325.41,892.7 3336.56,881.55 3347.71,870.4 3358.86,859.25 3370.01,848.1 3381.16,836.95 3381.16,825.83 3381.16,814.71 v1(3381.16,803.58)
  L6 w10.99: 3119.03,994.53 v1(3123.82,999.32)
  L6 w14.05: 3119.03,994.53 3119.03,982.3 3130.59,970.75
  L8 w9.96: 2770.83,967.18 v1(2779.93,967.18)
  L8 w12.01: U202.18@2614.25,940.77 2629.38,940.77 2644.51,940.77 2659.65,940.77 2674.78,940.77 2689.91,940.77 2705.04,940.77 2720.17,940.77 2735.3,940.77 2744.11,949.57
  L8 w14.05: 2744.11,949.57 2752.91,958.38 2761.71,967.18 2770.83,967.18
BOOT_MODE0: J201.98 R1104.1 SW1101.1 | length 2329
  L1 w4.85: v1@2684.16,2076.82 2691.12,2083.78 SW1101.1@2697.37,2091.28
  L1 w7.92: v1(2684.16,2073.59) v1@2684.16,2076.82
  L1 w9.96: J201.98@1643.71,3276.42 J201.98@1643.72,3287.41
  L1 w14.05: v1(1642.19,3299.93) 1643.72,3298.4 J201.98@1643.72,3287.41 ; SW1101.1@2697.37,2091.28 SW1101.1@2703.63,2098.79 2703.62,2120.44 v1(2705.93,2122.75)
  L3 w3.5: 1759.75,3005.71 1770.86,2994.59 1781.98,2983.48 1793.09,2972.37 1804.2,2961.26 1815.31,2950.14 1826.43,2939.03 1837.54,2927.92 1848.65,2916.8 1859.77,2905.69 1870.88,2894.58 1881.99,2883.46 1893.11,2872.35 1904.22,2861.24 1915.33,2850.12 1926.45,2839.01 1937.56,2827.9 1948.67,2816.79 1959.78,2805.67 1970.9,2794.56 1982.01,2783.45 1993.12,2772.33 2004.24,2761.22 2015.35,2750.11 2026.46,2738.99 2037.58,2727.88 2048.69,2716.77 2059.8,2705.65 2070.92,2694.54 2082.03,2683.43 2093.14,2672.32 2104.25,2661.2 2115.37,2650.09 2126.48,2638.98 2137.59,2627.86 2148.71,2616.75 2161.35,2616.75 2174,2616.75 2186.64,2616.75 2199.29,2616.75 2211.93,2616.75 ; 2431.62,1831.19 2441.15,1838.77 2451.01,1846.6
  L3 w5.87: 1675.14,3295.84 1685.71,3285.26 1696.29,3274.68 1706.87,3264.11 1717.44,3253.53 1728.02,3242.95 1738.6,3232.38 1749.17,3221.8 1759.75,3211.22 1759.75,3196.55 1759.75,3181.87 1759.75,3167.19 1759.75,3152.51 1759.75,3137.83 1759.75,3123.15 1759.75,3108.47 1759.75,3093.79 1759.75,3079.11 1759.75,3064.43 1759.75,3049.75 1759.75,3035.07 1759.75,3020.39 1759.75,3005.71